# Altium PCB SENSEI_Sensor-Shield.PcbDoc (part 2 of 2)
Units mm, origin at the board's own origin, x right, y up, seen from the top; angles counter-clockwise.
Board outline 38 x 16.5 mm, 8 copper layers (Top Layer, Mid-Layer 1, Mid-Layer 2, Mid-Layer 3, Mid-Layer 4, Mid-Layer 5, Mid-Layer 6, Bottom Layer), stack 1.612 mm thick; 108 components, 123 nets, 577 pads, 250 vias.
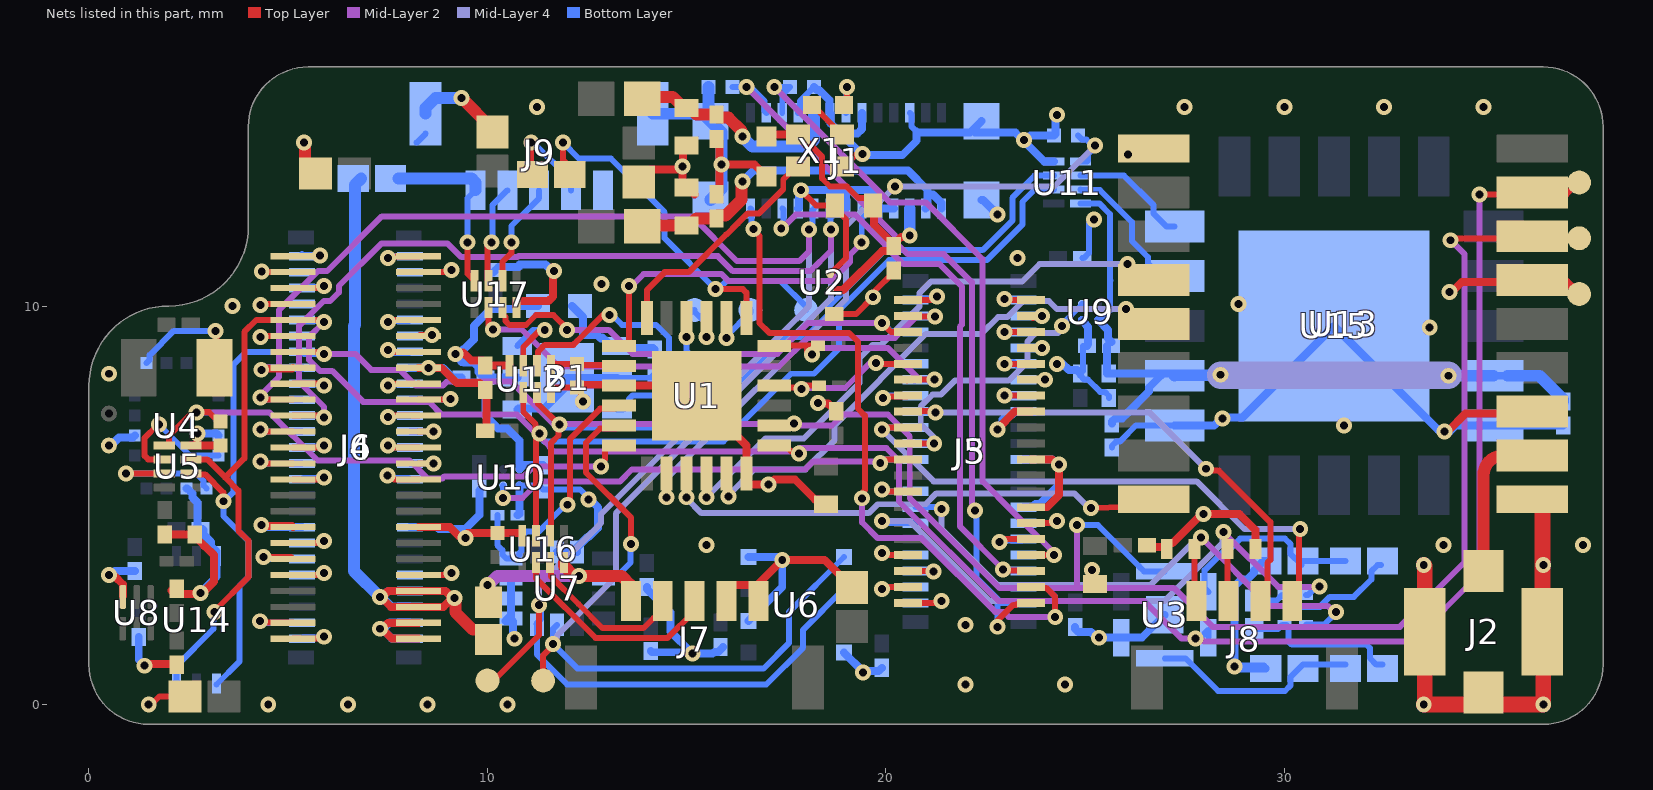
[diagram p8: the nets of this part, all layers, seen from the top]

## Via types
v1: diameter 0.4, hole 0.2, Top Layer to Bottom Layer, tented both sides, 223 vias
v2: diameter 0.4, hole 0.2, Top Layer to Bottom Layer, 27 vias

## Nets (pads, with @x,y where several pads share a name; then routed paths per layer and width w, separated by ;. In a path a pad name is that pad's centre, name@x,y a point inside that pad or via, vN(x,y) a via of type N, cw(c..) or ccw(c..) an arc to the next point about the centre after c; other vN are vias at no path point) (continued)
GND: B1.2 B1.4 B1.7 C1.2 C2.2 C3.2 C4.2 C5.2 C6.2 C7.2 C8.2 C9.2 C10.2 C12.2 C13.2 C14.2 C15.2 C16.2 C17.2 C18.2 C19.2 C21.2 C22.2 C23.2 C24.2 C25.2 C26.2 C27.2 C28.2 C29.2 C30.2 C31.2 C32.2 C33.2 C34.2 C35.2 C36.2 C37.2 C38.2 C39.2 C40.2 C41.2 C42.2 C43.2 D1.2 D2.2 J1.4 J1.6 J1.8 J1.11 J1.17 J1.18 J1.20 J1.23 J1.27 J1.28 J1.29 J1.30 J2.S1 J2.S2 J2.S3 J3.15 J3.21 J3.27 J4.8 J4.18 J4.33 J4.43 J5.15 J5.21 J5.27 J6.8 J6.18 J6.33 J6.43 J7.4 J7.5 J9.5 J9.MP1 J9.MP2 NT1.2 R3.1 R4.1 R7.1 R8.2 R13.1 R14.1 R16.2 R17.2 R20.2 R22.2 TP5.1 U1.9 U1.18 U1.25 U2.B1 U3.5 U3.7 U4.7 U4.11 U4.14 U5.4 U6.1 U6.5 U6.7 U7.1 U7.2 U7.3 U7.6 U7.7 U8.3 U9.B1 U10.B1 U11.4 U12.4 U13.1 U13.10 U13.12 U13.15 U14.3 U15.6 U15.20 U15.21 U16.4 U17.4 X1.2 | length 152.1
  Top Layer w0.15: v1(1.5,0) 1.568,0 1.768,0.2 C39.2@2.411,0.2 ; U12.4@11.6,7.83 11.6,7.925 11.625,7.95 R17.2@12.25,7.95 12.35,7.85 12.35,7.718 12.4,7.668 v1(12.4,7.6) ; v1(17.867,12.906) 18.248,12.525 C3.2@18.725,12.525 18.725,12.45 19,12.175 19,11.2 U2.B1@18.603,10.803 ; C6.2@18.704,9.8 19.255,9.8 19.676,10.221 v2(19.679,10.221) ; X1.2@18.9,13.5 18.95,13.5 19.25,13.8 19.349,13.8 19.4,13.8 v1(19.415,13.815) ; v2@19.678,10.222 19.725,10.27 19.725,10.375 20.2,10.85 C7.2@20.2,10.896
  Top Layer w0.2: v1@0.656,3.212 0.85,3.017 U8.3@0.85,2.727 ; v1(1.397,0.972) 1.435,1.01 C21.2@2.165,1.01 ; C15.2@1.9,4.271 C13.2@2.65,4.271 2.65,4.225 2.893,3.982 2.901,3.982 3.135,3.748 3.135,3.085 v1@2.825,2.775 ; C22.2@2.075,2.859 2.156,2.777 2.399,2.777 2.777,2.777 v1(2.8,2.8) ; U5.4@2.56,6.5 U5.4@2.725,6.5 ; v1@2.75,6.8 2.725,6.775 U5.4@2.725,6.5 ; R7.1@3.3,6.5 U5.4@2.725,6.5 ; v1(4.325,4.5) 4.351,4.474 5.101,4.474 J4.43@5.125,4.45 ; v1(4.325,8.4) 4.351,8.426 5.101,8.426 J4.33@5.125,8.45 ; J4.8@8.275,4.45 9.059,4.45 9.296,4.213 9.412,4.213 v1(9.45,4.175) 9.45,4.255 9.496,4.3 R20.2@10.25,4.3 10.875,4.3 U16.4@10.875,4.235 ; J4.18@8.275,8.45 8.85,8.45 9.233,8.067 9.801,8.067 9.95,7.919 C30.2@9.95,7.896 ; C28.2@9.946,6.875 9.973,6.902 C30.2@9.973,7.869 ; U17.4@10.725,9.965 10.725,10.125 11.533,10.125 11.65,10.242 v1@11.65,10.97 ; R17.2@12.25,7.95 12.324,8.024 13.276,8.024 U1.9@13.3,8 15,8 U1.25@15.25,7.75 16.5,6.5 16.5,5.575 16.55,5.525 v1(17.056,5.525) ; C40.2@13.8,13.111 13.8,13.122 14.103,13.425 14.771,13.425 14.846,13.5 v1(14.9,13.5) ; C5.2@15,12.975 14.9,13.075 14.9,13.469 14.905,13.474 14.905,13.98 14.95,14.025 C2.2@15,14.025 ; C5.2@15.025,12.975 C5.2@15.196,12.804 ; C4.2@15.75,12.804 15.825,12.88 15.825,13.499 v1(15.873,13.546) ; C1.2@15.75,14.196 15.825,14.121 15.825,13.649 15.873,13.601 v1(15.873,13.546) ; J7.4@16,2.995 J7.5@16.611,2.995 ; J7.5@16.8,2.595 J7.5@16.8,2.845 ; J7.5@16.8,2.995 J7.5@16.611,2.995 ; C10.2@17,13.25 16.704,13.546 v1(15.873,13.546) ; v1@17.108,5.588 17.148,5.588 17.2,5.64 17.725,5.64 18.216,5.15 18.307,5.15 C9.2@18.507,4.95 ; v1(18.303,7.569) 18.303,7.558 18.311,7.55 18.554,7.55 C8.2@18.6,7.504 ; C41.2@19.15,2.939 19.15,2.95 18.847,3.253 18.836,3.253 18.464,3.625 v1(17.4,3.625) 16.8,3.025 J7.5@16.8,2.845 ; v1(22.8,6.9) 22.8,6.914 23.236,7.35 J3.15@23.64,7.35 ; J3.27@23.64,4.95 24.044,4.95 24.35,5.257 v2(24.35,6.024) 24.296,6.024 24.17,6.15 J3.21@23.64,6.15 ; v1(25.176,3.375) 25.176,3.099 C32.2@25.25,3.025 ; v1(26.075,13.8) 26.075,13.725 U13.1@26.25,13.9 ; C33.2@26.554,4 26.604,3.95 27,3.95 D1.2@27.05,3.9 27.05,4 27.1,4.05 27.2,4.05 27.925,4.775 v1(27.975,4.775) 28.875,4.775 29.275,4.375 D2.2@29.275,3.9 ; v1(34.025,6.85) 34.1,6.85 34.55,7.3 U13.12@35.75,7.3 ; v1(34.15,10.35) 34.204,10.35 34.454,10.6 37.092,10.6 37.392,10.3 TP5.1@37.4,10.3 TP5.1@37.5,10.3 ; J7.5@16.611,2.995 16.65,2.995 J7.5@16.8,2.845
  Top Layer w0.3: v1(5.4,14.1) 5.4,14.073 5.422,14.051 5.422,13.578 5.675,13.325 C42.2@5.686,13.325 ; v1(9.35,15.225) 10.125,14.45 C43.2@10.125,14.364
  Top Layer w0.4: v2(33.5,3.5) 33.525,3.475 J2.S1@33.525,1.825 33.525,0.025 v1(33.5,0) 34.775,0 35,0.225 35.225,0 v1(36.5,0) 36.5,1.725 36.475,1.75 J2.S3@36.475,1.825 v1@36.475,3.475 ; U13.10@36.225,5.15 cw(c36.225,4.9) 36.475,4.9 v1@36.475,3.475 ; v1(36.5,3.5) v1@36.475,3.475
  Bottom Layer w0.15: J9.MP1@8.225,14.1 J9.MP1@8.45,14.325 ; U10.B1@10.803,5.497 11.299,5.497 C26.2@11.4,5.396 11.816,5.396 11.82,5.4 12.324,5.4 v1@12.559,5.165 ; B1.2@13.25,8.2 14.104,8.2 C31.2@14.2,8.296 ; J1.4@17.8,14.85 17.84,14.89 17.84,15.14 R4.1@18.2,15.5 ; J1.11@20.6,14.85 20.64,14.81 20.64,14.51 20.792,14.358 ; C27.2@24.875,8.311 C27.2@24.875,8.304 ; C23.2@24.929,11.2 24.965,11.2 25.1,11.335 25.1,12.071 25.188,12.159 25.211,12.159 v2(25.224,12.172) ; C25.2@24.946,9 24.946,8.375 C27.2@24.875,8.304 ; C29.2@25.6,7.696 25.6,7.741 25.494,7.848 25.379,7.848 25.074,8.152 24.981,8.152 24.875,8.259 C27.2@24.875,8.304 ; C37.2@25.675,6.446 25.675,6.491 25.781,6.598 25.874,6.598 26.075,6.798 26.075,6.8 26.275,7 U15.6@27.25,7
  Bottom Layer w0.2: v1(0.5,3.25) 0.554,3.25 0.65,3.346 C35.2@1.15,3.346 ; NT1.2@0.5,6.5 0.554,6.5 0.754,6.7 1.1,6.7 U4.7@1.15,6.75 ; C36.2@1.25,1.696 1.25,1.129 1.397,0.982 v1(1.397,0.972) ; U4.11@2.45,5.425 2.466,5.425 2.6,5.291 2.6,5.192 2.725,5.067 2.725,4.479 C14.2@2.804,4.4 2.85,4.4 2.875,4.375 2.875,4.229 2.918,4.229 3.064,4.083 3.064,3.945 3.109,3.9 3.14,3.9 3.2,3.84 3.2,3.207 2.807,2.815 2.807,2.7 2.8,2.707 v1(2.8,2.8) ; v1(2.725,6.8) 3.2,6.8 U4.14@3.25,6.75 ; v1(4.325,4.5) 4.379,4.5 4.429,4.45 J6.43@5.345,4.45 ; v1(4.325,8.4) 4.379,8.4 4.429,8.45 J6.33@5.345,8.45 ; J6.8@8.055,4.45 8.73,4.45 8.78,4.4 9.226,4.4 ; J6.18@8.055,8.45 v1(8.519,8.45) 8.884,8.45 9.13,8.204 C34.2@9.348,8.204 ; v1(9.45,4.175) 9.226,4.4 ; C24.2@9.821,5.396 9.8,5.375 9.8,4.759 9.441,4.4 9.226,4.4 ; R22.2@10.143,10.843 R22.2@10.2,10.9 10.275,10.975 10.779,10.975 10.8,10.996 10.8,11.041 11.458,11.041 11.624,10.876 v1(11.676,10.876) ; U7.1@10.588,2.163 U7.1@10.588,2.238 ; U7.3@10.588,3.163 U7.2@10.588,2.663 U7.1@10.588,2.238 ; v1(10.675,1.65) 10.637,1.688 10.637,2.088 10.624,2.1 10.45,2.1 U7.1@10.588,2.238 ; B1.4@10.75,7.4 10.78,7.43 11.425,7.43 12,8.005 B1.7@12,8.2 B1.2@13.25,8.2 ; R8.2@10.759,4.75 10.771,4.75 10.803,4.781 U10.B1@10.803,5.497 ; U7.6@11.75,3.825 U7.7@12.25,3.825 12.25,3.938 12.512,4.2 12.541,4.2 12.775,4.434 12.775,4.947 12.576,5.146 v1(12.541,5.146) ; C18.2@14,2.946 14,2.9 14.597,2.303 14.597,1.828 v1@15.115,1.31 ; C19.2@14.1,1.346 14.135,1.31 v1@15.115,1.31 ; C17.2@15.919,1.446 15.792,1.319 15.695,1.319 15.651,1.275 v1(15.15,1.275) v1@15.115,1.31 ; U6.7@16.55,2.1 17.4,2.95 17.4,3.571 17.271,3.7 U6.5@16.55,3.7 ; J1.23@17.8,12.45 17.815,12.465 17.815,12.8 17.867,12.852 v1(17.867,12.906) 18.96,12.906 ; R4.1@18.2,15.5 18.275,15.425 18.325,15.425 18.585,15.165 18.585,14.865 18.615,14.835 18.615,14.585 19.385,13.815 v1(19.415,13.815) ; 18.925,14.325 19.283,14.325 19.4,14.442 J1.8@19.4,14.85 ; U6.1@18.95,1.3 19.425,0.825 v1(19.425,0.8) ; J1.20@19,12.45 19,12.866 18.96,12.906 ; v1@19.4,13.787 20.412,13.787 20.775,14.15 20.775,14.375 ; v1@19.463,0.838 19.819,0.838 C16.2@19.9,0.92 ; J1.17@20.2,12.45 J1.18@19.8,12.45 19.785,12.465 19.785,12.804 19.683,12.906 18.96,12.906 ; 20.792,14.35 22.11,14.35 J1.30@22.4,14.64 ; J1.30@22.236,14.35 23.249,14.35 23.433,14.166 23.52,14.166 23.629,14.275 R16.2@24.225,14.275 24.262,14.312 24.262,14.763 v1(24.3,14.8) ; J1.29@22.4,12.66 22.44,12.66 v1(22.8,12.3) ; v1(22.8,6.9) 22.8,6.954 22.925,7.079 22.925,7.148 23.042,7.265 23.155,7.265 23.24,7.35 J5.15@23.455,7.35 ; J5.27@23.455,4.95 23.67,4.95 23.755,5.035 23.868,5.035 24.35,5.517 v2(24.35,6.024) ; J5.21@23.455,6.15 24.17,6.15 v2@24.296,6.024 ; v1(23.466,14.166) 23.466,14.134 23.975,13.625 U11.4@24.215,13.625 ; v2(24.297,8.55) 24.386,8.55 24.411,8.575 24.594,8.393 24.794,8.393 C27.2@24.875,8.311 ; C12.2@24.75,1.946 24.75,1.9 24.831,1.819 25.152,1.819 25.296,1.675 v1(25.35,1.675) U3.5@25.908,1.675 26.425,1.675 U3.7@27,2.25 ; U9.B1@24.922,9.647 25.027,9.541 25.027,9.522 25.075,9.473 25.075,9.045 25.045,9.003 C25.2@25.046,9 ; U15.6@27.25,7 28.24,7 28.415,7.175 v1(28.45,7.175) 28.475,7.2 28.95,7.2 U15.21@31.25,9.5 33.862,6.888 33.987,6.888 v1(34.025,6.85) ; v1@28.769,0.95 R14.1@29.484,0.95 ; R14.1@29.534,0.9 28.854,0.9 28.804,0.95 v1(28.75,0.95) 28.75,2.966 28.915,3.131 29.066,3.131 29.244,3.309 29.244,3.364 29.48,3.6 R13.1@29.534,3.6 ; v1@34.062,6.888 34.1,6.85 34.154,6.85 34.304,7 U15.20@35.25,7 C38.2@37,7
  Bottom Layer w0.3: J9.MP1@8.45,14.825 8.45,14.975 8.7,15.225 v1(9.35,15.225) ; J9.MP2@14.15,14.825 15.415,14.825 J1.28@15.55,14.69 ; R3.1@15.55,15.5 J1.28@15.55,14.69 ; J1.27@15.6,12.67 J1.27@15.6,12.66 15.873,12.933 v1(15.873,13.546) 15.873,14.367 J1.28@15.6,14.64 J1.28@15.55,14.69
  other v1: 4.5,0 6.5,0 8.5,0 10.5,0 22,0.5 24.5,0.5 22,2 15.5,4 34,4 37.5,4 31.5,7 0.5,8.3 33.65,9.461 3.6,10 28.85,10.052 12.864,10.55 23.3,11.2 11.25,15 27.5,15 30,15 32.5,15 35,15
GPIO0: R23.2 TP1.1 U1.1 | length 10.8
  Top Layer w0.15: v1(11.9,14.1) 11.9,13.666 12.166,13.4 R23.2@12.066,13.3 ; v1(15.726,10.426) 16.412,10.426 16.5,10.338 U1.1@16.5,9.7
  Bottom Layer w0.15: v1(11.9,14.1) 12.3,13.7 13.102,13.7 14.45,12.352 14.45,11.701 v1(15.726,10.426) 15.793,10.426 15.993,10.626 17.355,10.626 18,9.981 TP1.1@18,9.9
GPIO1: TP2.1 U1.2 | length 1.4
  Top Layer w0.15: v1(16.001,9.2) 16.001,9.403 U1.2@16.024,9.38 ; U1.2@16,9.7 16.024,9.676 U1.2@16.024,9.483
  Bottom Layer w0.15: v1(16.001,9.2) 16.001,9.242 16.6,9.841 TP2.1@16.6,9.9
GPIO2: TP3.1 U1.3 | length 1.3
  Top Layer w0.15: U1.3@15.5,9.7 15.475,9.675 15.501,9.649 v1(15.501,9.225)
  Bottom Layer w0.15: TP3.1@15.2,9.9 15.2,9.85 15.501,9.549 v1(15.501,9.225)
GPIO3: TP4.1 U1.4 | length 1.3
  Top Layer w0.15: v1(15,9.225) 14.981,9.225 14.975,9.219 14.975,9.675 U1.4@15,9.7
  Bottom Layer w0.15: v1(15,9.225) 15,8.872 15.25,8.622 TP4.1@15.25,8.5
HM0360_CLK_nEN: U1.6 X1.1 | length 5.8
  Top Layer w0.15: U1.6@14,9.7 14,10.4 14.45,10.85 15.05,10.85 15.994,11.794 16.004,11.794 16.286,12.076 16.535,12.325 16.822,12.325 17.425,12.928 17.425,13.175 17.65,13.4 X1.1@17.75,13.4
HM0360_INT: J1.26 J3.37 J5.37 | length 18.7
  Top Layer w0.15: v1(16.676,11.935) 16.676,11.911 16.825,11.762 16.825,9.575 17.075,9.325 19.075,9.325 19.3,9.1 19.3,7.422 19.475,7.247 19.475,5.388 19.446,5.359 19.446,5.223 v1(19.398,5.175) ; J3.37@23.64,2.95 23.665,2.925 24.025,2.925 24.251,2.699 v1(24.251,2.2)
  Mid-Layer 2 w0.15: v1(19.398,5.175) 19.4,5.173 19.4,4.57 19.795,4.175 20.893,4.175 22.743,2.325 22.955,2.325 23.08,2.2 v1(24.251,2.2)
  Bottom Layer w0.15: J1.26@16.6,12.45 16.631,12.419 16.631,11.981 v1(16.676,11.935) ; J5.37@23.455,2.95 24.006,2.95 24.251,2.705 v1(24.251,2.2)
HM0360_METER: J1.19 U1.7 | length 9.1
  Top Layer w0.15: U1.7@13.3,9 13.475,9 13.55,9.075 v2(13.55,10.5)
  Mid-Layer 2 w0.15: v2(13.55,10.5) 13.618,10.5 13.918,10.801 15.881,10.801 16.057,10.625 17.045,10.625 18.625,10.626 19.1,11.1 19.1,11.289 19.39,11.579 v2(19.39,11.6)
  Bottom Layer w0.15: v2(19.39,11.6) 19.395,11.605 19.395,12.445 J1.19@19.4,12.45
HM0360_SHUTDOWN: J1.2 J3.39 J5.39 R3.2 | length 19.7
  Top Layer w0.15: v1(22.8,1.95) 22.8,2.1 23.2,2.5 23.277,2.5 23.302,2.525 23.615,2.525 J3.39@23.64,2.55
  Mid-Layer 2 w0.15: v1(16.5,15.5) 20.225,11.775 20.225,11.62 20.545,11.3 21.456,11.3 22.159,10.597 22.159,4.94 v1(22.232,4.866)
  Bottom Layer w0.15: R3.2@16.15,15.5 v1(16.5,15.5) 16.548,15.452 16.648,15.452 16.96,15.14 16.96,14.89 J1.2@17,14.85 ; v1(22.232,4.866) 22.275,4.823 22.275,3.179 22.904,2.55 J5.39@23.455,2.55 ; v1(22.8,1.95) 22.8,2.525 22.825,2.55
HM0360_TRIGGER: J1.24 J3.35 J5.35 | length 14.8
  Top Layer w0.15: v1(22.942,3.389) 22.968,3.363 23.627,3.363 J3.35@23.64,3.35
  Mid-Layer 2 w0.15: v1(17.375,11.95) 17.4,11.95 17.75,12.3 19.22,12.3 19.975,11.545 19.975,11.516 20.441,11.05 21.352,11.05 21.909,10.494 21.909,9.53 21.857,9.479 21.857,4.473 v1(22.942,3.389)
  Bottom Layer w0.15: v1(17.375,11.95) 17.425,12 17.425,12.425 J1.24@17.4,12.45 ; v1(22.942,3.389) 22.961,3.369 23.436,3.369 J5.35@23.455,3.35
HM0360_XSLEEP: J1.3 J3.33 J5.33 R4.2 | length 17.7
  Top Layer w0.15: J3.33@23.64,3.75 v1(24.225,3.75)
  Mid-Layer 2 w0.15: v1(17.2,15.5) 20.1,12.6 21,12.6 22.425,11.175 22.425,5.6 23.176,4.849 24.225,3.8 v1(24.225,3.75)
  Bottom Layer w0.15: v1(17.2,15.5) R4.2@17.6,15.5 17.4,15.3 J1.3@17.4,14.85 ; J5.33@23.455,3.75 v1(24.225,3.75)
I2C_A_SCL: J1.21 J4.36 J6.36 TP6.1 U6.4 U7.13 | length 43.8
  Top Layer w0.15: J4.36@5.125,7.25 5.126,7.249 5.811,7.249 5.859,7.2 v1(5.9,7.2) ; TP6.1@11.4,0.6 11.4,1.233 11.65,1.483 v1(11.65,1.513)
  Mid-Layer 2 w0.15: v1(5.9,7.2) 5.9,7.47 5.275,8.095 5.275,9.505 5.895,10.125 6.055,10.125 6.275,10.345 6.275,10.505 7.345,11.575 8.995,11.575 9.345,11.225 10.755,11.225 10.781,11.251 15.785,11.251 16.16,10.875 16.941,10.875 ; 16.942,10.876 18.106,10.876 18.625,11.395 v1(18.625,11.925)
  Mid-Layer 4 w0.15: v1(11.65,1.513) 11.65,1.581 11.745,1.676 11.745,1.72 13.225,3.2 13.225,4.796 17.504,9.075 17.509,9.075 18.625,10.191 v1(18.625,11.925)
  Bottom Layer w0.15: J6.36@5.345,7.25 5.355,7.24 5.86,7.24 v1(5.9,7.2) ; U7.13@11.75,2 11.65,1.9 v1(11.65,1.513) 12.263,0.9 16.93,0.9 17.575,1.545 17.575,2.325 U6.4@18.95,3.7 ; J1.21@18.6,12.45 18.613,12.437 18.613,11.938 v1(18.625,11.925)
I2C_A_SDA: J1.22 J4.35 J6.35 TP7.1 U6.3 U7.14 | length 45.6
  Top Layer w0.15: v1(4.3,7.7) 4.316,7.7 4.364,7.651 J4.35@5.125,7.65 J4.35@5.125,7.65 ; TP7.1@10,0.6 10.155,0.6 11.3,1.745 v1(11.3,2.5)
  Mid-Layer 2 w0.15: v1(4.3,7.7) 4.3,7.75 4.775,8.225 4.775,9.905 5.525,10.655 5.745,10.875 5.975,10.875 7.35,12.25 15.139,12.25 16.264,11.125 16.838,11.125 ; 16.838,11.125 17.824,11.125 18.075,11.376 v1(18.075,11.925)
  Mid-Layer 4 w0.15: v1(11.3,2.5) 11.3,3 12.85,4.55 12.85,4.775 17.4,9.325 17.405,9.325 18.075,9.995 v1(18.075,11.925)
  Bottom Layer w0.15: v1(4.3,7.7) 4.316,7.7 4.366,7.65 J6.35@5.345,7.65 ; U7.14@11.228,2.022 11.35,2.144 11.35,2.45 v1(11.3,2.5) ; U7.14@11.25,2 11.25,1.25 12,0.5 16.999,0.5 17.924,1.426 17.924,1.874 U6.3@18.95,2.9 ; v1(18.075,11.925) 18.075,11.993 18.16,12.078 18.16,12.41 J1.22@18.2,12.45
I2C_AS7331_EN: R7.2 U1.12 U5.5 | length 13.8
  Top Layer w0.15: U5.5@1.89,6.5 1.982,6.5 2.007,6.525 2.007,6.737 2.595,7.325 v1(2.7,7.325) 2.712,7.337 3.013,7.337 3.15,7.2 3.2,7.2 R7.2@3.3,7.1 ; v2(12.85,5.975) 12.85,6.043 12.95,6.143 12.95,6.425 13.025,6.5 U1.12@13.3,6.5
  Mid-Layer 2 w0.15: v1(2.7,7.325) 4.535,7.325 5.735,6.125 8.045,6.125 8.495,5.675 8.868,5.675 8.917,5.725 10.915,5.725 11.165,5.975 v2(12.85,5.975)
I2C_AS7331_SCL: U4.13 U5.6 | length 3.3
  Top Layer w0.15: v1(1.758,7.028) 1.73,7 1.707,7 1.4,6.693 1.4,6.238 1.488,6.15 U5.6@1.89,6.15
  Bottom Layer w0.15: v1(1.758,7.028) 2.536,6.25 U4.13@3.25,6.25
I2C_AS7331_SDA: U4.12 U5.7 | length 3.2
  Top Layer w0.15: v1(0.925,5.8) U5.7@1.89,5.8
  Bottom Layer w0.15: v1(0.925,5.8) 2.693,5.8 2.875,5.618 2.875,5.5 U4.12@2.95,5.425
I2C_B_SCL: J4.30 J6.30 TP8.1 U1.19 U3.3 U5.3 U11.2 U12.2 U13.17 U14.6 U16.3 | length 82.7
  Top Layer w0.15: U5.3@2.56,6.15 2.967,6.15 3.417,5.7 ; v1(3.15,2.316) 3.15,2.344 4,3.195 4,4.114 3.75,4.364 3.75,5.367 3.417,5.7 ; v1(5.9,9.6) 5.85,9.65 J4.30@5.125,9.65 4.2,9.65 3.9,9.35 3.9,6.175 3.425,5.7 3.417,5.7 ; U12.2@10.9,7.83 10.9,7.34 11.209,7.031 11.209,6.898 v2(11.305,6.802) ; U16.3@11.225,4.235 11.225,6.654 11.297,6.726 v2@11.297,6.81 ; U1.19@17.2,6.5 17.475,6.5 17.627,6.348 17.778,6.348 v1(17.826,6.3) ; v1(34.9,12.8) 37.078,12.8 37.378,13.1 TP8.1@37.4,13.1 TP8.1@37.5,13.1
  Mid-Layer 2 w0.15: v1(5.9,9.6) 5.525,9.225 5.525,8.645 5.795,8.375 6.103,8.375 6.883,7.595 8.536,7.595 8.855,7.275 10.743,7.275 11.216,6.802 v2(11.305,6.802) ; v2@11.282,6.758 11.562,6.477 11.562,6.456 11.668,6.35 17.65,6.35 17.7,6.3 17.835,6.435 20.015,6.435 20.33,6.12 20.33,5.091 22.821,2.6 26.476,2.6 27.415,1.661 v1(27.77,1.661) 27.818,1.613 27.945,1.613 27.983,1.575 33.2,1.575 34.9,3.275 v1(34.9,12.8) ; v1(17.826,6.3) v1@17.825,6.425
  Bottom Layer w0.15: U14.6@2.2,0.5 2.2,0.974 3.125,1.898 3.125,2.291 v1(3.15,2.316) ; J6.30@5.345,9.65 5.37,9.625 5.875,9.625 v1(5.9,9.6) ; v2(11.305,6.802) 11.305,6.734 11.418,6.621 11.418,6.6 15.92,6.6 17.62,8.3 18.196,8.3 18.825,8.929 18.825,9.896 20.079,11.15 22.534,11.15 23.425,12.041 23.425,12.61 23.74,12.925 U11.2@24.215,12.925 ; v1(27.77,1.661) 27.859,1.661 27.87,1.65 28.092,1.872 U3.3@28.092,1.675
I2C_B_SDA: J4.32 J6.32 TP9.1 U1.20 U3.1 U5.2 U11.3 U12.3 U13.16 U14.4 U16.2 | length 82.3
  Top Layer w0.15: U5.2@2.56,5.8 2.585,5.775 2.918,5.775 3.375,5.318 v1(3.375,5.1) ; J4.32@5.125,8.85 5.85,8.85 v1(5.9,8.8) ; U12.3@11.25,7.83 11.275,7.805 11.275,7.543 11.788,7.03 v1(11.805,7.03) 11.784,7.008 11.784,6.75 11.6,6.567 11.6,4.26 U16.2@11.575,4.235 ; U1.20@17.2,7 17.225,7.025 17.665,7.025 v1(17.69,7.05) ; v1(34.177,11.651) 34.19,11.651 34.241,11.7 U13.16@36.25,11.7 ; U13.16@36.225,11.75 36.275,11.7 TP9.1@37.4,11.7
  Mid-Layer 2 w0.15: v1(5.9,8.8) 6.684,8.8 7.084,8.4 7.8,8.4 8.2,8 8.881,8 8.981,8.1 9.9,8.1 10.6,8.1 11.676,7.024 11.8,7.024 v1(11.805,7.03) ; v1@11.779,7.04 17.68,7.04 v1(17.69,7.05) ; v1@17.726,7 18.648,7 18.923,7.275 20.055,7.275 20.6,6.73 20.6,5.175 22.85,2.925 24.801,2.925 ; v2(24.801,4.5) 24.801,2.925 ; v1(34.177,11.651) 34.525,11.302 34.525,8.45 34.525,3.575 32.9,1.95 28.2,1.95 27.225,2.925 24.801,2.925
  Bottom Layer w0.15: U14.4@3.2,0.5 3.775,1.075 3.775,2.97 4,3.195 4,4.106 3.375,4.731 v1(3.375,5.1) 3.4,5.1 3.625,5.325 3.625,8.525 3.95,8.85 J6.32@5.345,8.85 5.395,8.8 v1(5.9,8.8) ; v1(11.805,7.03) 11.885,6.95 15.225,6.95 17.5,9.225 17.997,9.225 18.575,9.803 18.575,10 19.975,11.4 22.43,11.4 23.175,12.145 23.175,12.713 23.737,13.275 U11.3@24.215,13.275 ; v2(24.801,4.5) 25.325,4.5 26.351,3.474 26.351,3.47 26.479,3.342 U3.1@27,3.342
I2C_SCD41_EN: R16.1 U1.14 U11.5 | length 17.7
  Top Layer w0.15: v1(14.5,5.2) U1.14@14.5,5.8
  Mid-Layer 4 w0.15: v1(14.5,5.2) 14.5,5.675 19,10.175 19,11.996 19.478,12.475 19.704,12.475 20.164,12.935 v1@20.28,12.935 ; v1(20.23,13.001) 20.23,12.986 v1@20.28,12.935 ; v1(25.25,14.025) 24.225,13 20.345,13 v1@20.28,12.935
  Bottom Layer w0.15: R16.1@24.825,14.275 24.925,14.175 25.037,14.175 25.187,14.025 v1(25.25,14.025) 25.25,13.987 25.075,13.812 25.075,13.65 25.05,13.625 U11.5@24.885,13.625
  Bottom Layer w0.2: v1(20.23,13.001) v1@20.268,12.962
I2C_SCD41_SCL: U11.7 U15.9 | length 3.6
  Bottom Layer w0.15: U11.7@24.885,12.925 24.9,12.91 25.375,12.91 26.175,12.11 26.175,11.63 26.575,11.23 26.575,11.075 26.9,10.75 U15.9@27.25,10.75
I2C_SCD41_SDA: U11.6 U15.10 | length 3
  Bottom Layer w0.15: U11.6@24.885,13.275 25.975,13.275 26.713,12.537 26.713,12.325 27.038,12 U15.10@27.25,12
I2C_SGP41_EN: R17.1 U1.8 U12.5 | length 1.8
  Top Layer w0.15: U12.5@11.6,8.5 11.6,8.525 11.625,8.55 R17.1@12.25,8.55 12.275,8.525 13.275,8.525 U1.8@13.3,8.5
I2C_SGP41_SCL: B1.6 U12.7 | length 2
  Top Layer w0.15: U12.7@10.9,8.5 10.9,8.971 11.329,9.4 v1(11.439,9.4)
  Bottom Layer w0.15: B1.6@10.75,9 11.15,9.4 11.4,9.4 v1(11.439,9.4)
I2C_SGP41_SDA: B1.3 U12.6 | length 7.1
  Top Layer w0.15: U12.6@11.25,8.5 11.275,8.525 11.275,8.778 11.275,8.858 11.442,9.025 11.655,9.025 12.155,9.025 12.25,9.12 12.923,9.792 13.047,9.792 v1(13.065,9.774)
  Bottom Layer w0.15: v1(13.065,9.774) 13.132,9.774 13.382,9.525 14.235,9.525 14.556,9.204 14.556,7.996 14.31,7.75 13.638,7.75 13.55,7.662 13.55,7.55 13.4,7.4 B1.3@13.25,7.4
IMU_SPI_INT1: R8.1 U1.10 U7.4 | length 6.8
  Top Layer w0.15: v2(12.005,5.012) 12.075,5.082 12.075,6.668 12.832,7.425 13.225,7.425 U1.10@13.3,7.5
  Bottom Layer w0.15: R8.1@10.25,4.75 10.25,4 10.375,3.875 10.375,3.763 10.475,3.663 10.7,3.663 10.8,3.763 10.8,3.8 10.85,3.85 10.85,4.206 10.982,4.338 11.288,4.338 11.96,5.01 12.003,5.01 v2(12.005,5.012)
IMU_SPI_INT2: U1.11 U7.9 | length 5.3
  Top Layer w0.15: U1.11@13.3,7 13.225,6.925 12.832,6.925 12.475,6.568 12.475,5.82 13.6,4.695 v2(13.6,4.025)
  Bottom Layer w0.15: U7.9@12.913,3.163 13.013,3.263 13.293,3.263 13.594,3.563 13.594,4.019 v2(13.6,4.025)
M10Q_PIO4: U1.16 U13.4 | length 14.9
  Top Layer w0.15: v1(15.5,5.2) U1.16@15.5,5.8 ; v1(26.06,11.05) 26.156,11.05 26.2,11.006 26.194,11 26.422,10.772 U13.4@26.25,10.6
  Mid-Layer 4 w0.15: v1(15.5,5.2) 16.975,6.675 17.939,6.675 19.337,8.073 19.337,8.692 19.67,9.025 19.881,9.025 20.85,9.994 20.85,10.331 21.129,10.61 23.416,10.61 23.856,11.05 v1(26.06,11.05)
M10Q_PIO5: U1.17 U13.5 | length 13.4
  Top Layer w0.15: U1.17@16,5.8 16.025,5.775 16.025,5.244 v1(16.05,5.219) ; v1(26.026,9.925) 26.026,9.726 26.025,9.725 U13.5@26.25,9.5
  Mid-Layer 4 w0.15: v1(16.05,5.219) 16.05,5.25 16.7,5.9 17.981,5.9 18.715,6.634 18.715,7.009 21.006,9.3 22.395,9.3 22.821,9.725 23.05,9.725 23.45,10.125 24.092,10.125 24.292,9.925 v1(26.026,9.925)
M10Q_R\S\T\: U1.15 U13.9 | length 12.4
  Top Layer w0.15: v1(15,5.2) U1.15@15,5.8 ; v2(25.146,4.929) 26.047,4.955 ccw(c26.043,5.105) 26.149,4.999 U13.9@26.25,5.1
  Mid-Layer 4 w0.15: v1(15,5.2) 15,5.17 15.37,4.8 19.57,4.8 19.795,5.025 20.995,5.025 21.27,5.3 24.73,5.3 25.101,4.929 v2(25.146,4.929)
MCLK: J1.7 R5.1 | length 1.1
  Top Layer w0.15: R5.1@18.95,15.05 19.025,15.125 v1(19.025,15.5)
  Bottom Layer w0.15: J1.7@19,14.85 19.012,14.862 19.012,15.488 v1(19.025,15.5)
MIC_CLK: J3.36 J5.36 | length 1.1
  Top Layer w0.15: J3.36@20.56,3.35 20.566,3.344 21.194,3.344 v1(21.2,3.338)
  Bottom Layer w0.15: J5.36@20.745,3.35 20.751,3.344 21.194,3.344 v1(21.2,3.338)
MIC_DATA: J3.34 J5.34 | length 1.5
  Top Layer w0.15: v1(19.9,3.8) 19.941,3.8 19.991,3.75 J3.34@20.56,3.75
  Bottom Layer w0.15: v1(19.9,3.8) 19.941,3.8 19.991,3.75 J5.34@20.745,3.75
MIC_THSEL: J3.38 J5.38 | length 1.5
  Top Layer w0.15: v1(19.9,2.9) 19.941,2.9 19.991,2.95 J3.38@20.56,2.95
  Bottom Layer w0.15: v1(19.9,2.9) 19.941,2.9 19.991,2.95 J5.38@20.745,2.95
MIC_WAKE: J3.40 J5.40 | length 1.5
  Top Layer w0.15: J3.40@20.56,2.55 21.35,2.55 v1(21.4,2.6)
  Bottom Layer w0.15: J5.40@20.745,2.55 21.309,2.55 21.359,2.6 v1(21.4,2.6)
MSP_CS: J4.12 J6.12 | length 1
  Top Layer w0.15: J4.12@8.275,6.05 v1(8.65,6.05)
  Bottom Layer w0.15: J6.12@8.055,6.05 v1(8.65,6.05)
MSP_DR1: J4.13 J6.13 | length 1.4
  Top Layer w0.15: v1(7.5,6.5) 7.551,6.449 8.274,6.449 J4.13@8.275,6.45
  Bottom Layer w0.15: v1(7.5,6.5) 7.55,6.45 J6.13@8.055,6.45
MSP_DR2: J4.21 J6.21 | length 1.4
  Top Layer w0.15: v1(7.5,9.6) 7.551,9.651 8.274,9.651 J4.21@8.275,9.65
  Bottom Layer w0.15: v1(7.5,9.6) 7.525,9.625 8.03,9.625 J6.21@8.055,9.65
MSP_T\R\S\T\: J4.50 J6.50 | length 1.4
  Top Layer w0.15: J4.50@5.125,1.65 5.85,1.65 v1(5.9,1.7)
  Bottom Layer w0.15: J6.50@5.345,1.65 5.37,1.675 5.875,1.675 v1(5.9,1.7)